# EAGLE board Mk4 Final Panel 8up 2x4 (EAGLE 9.0.1), part 23 of 23 (continued)
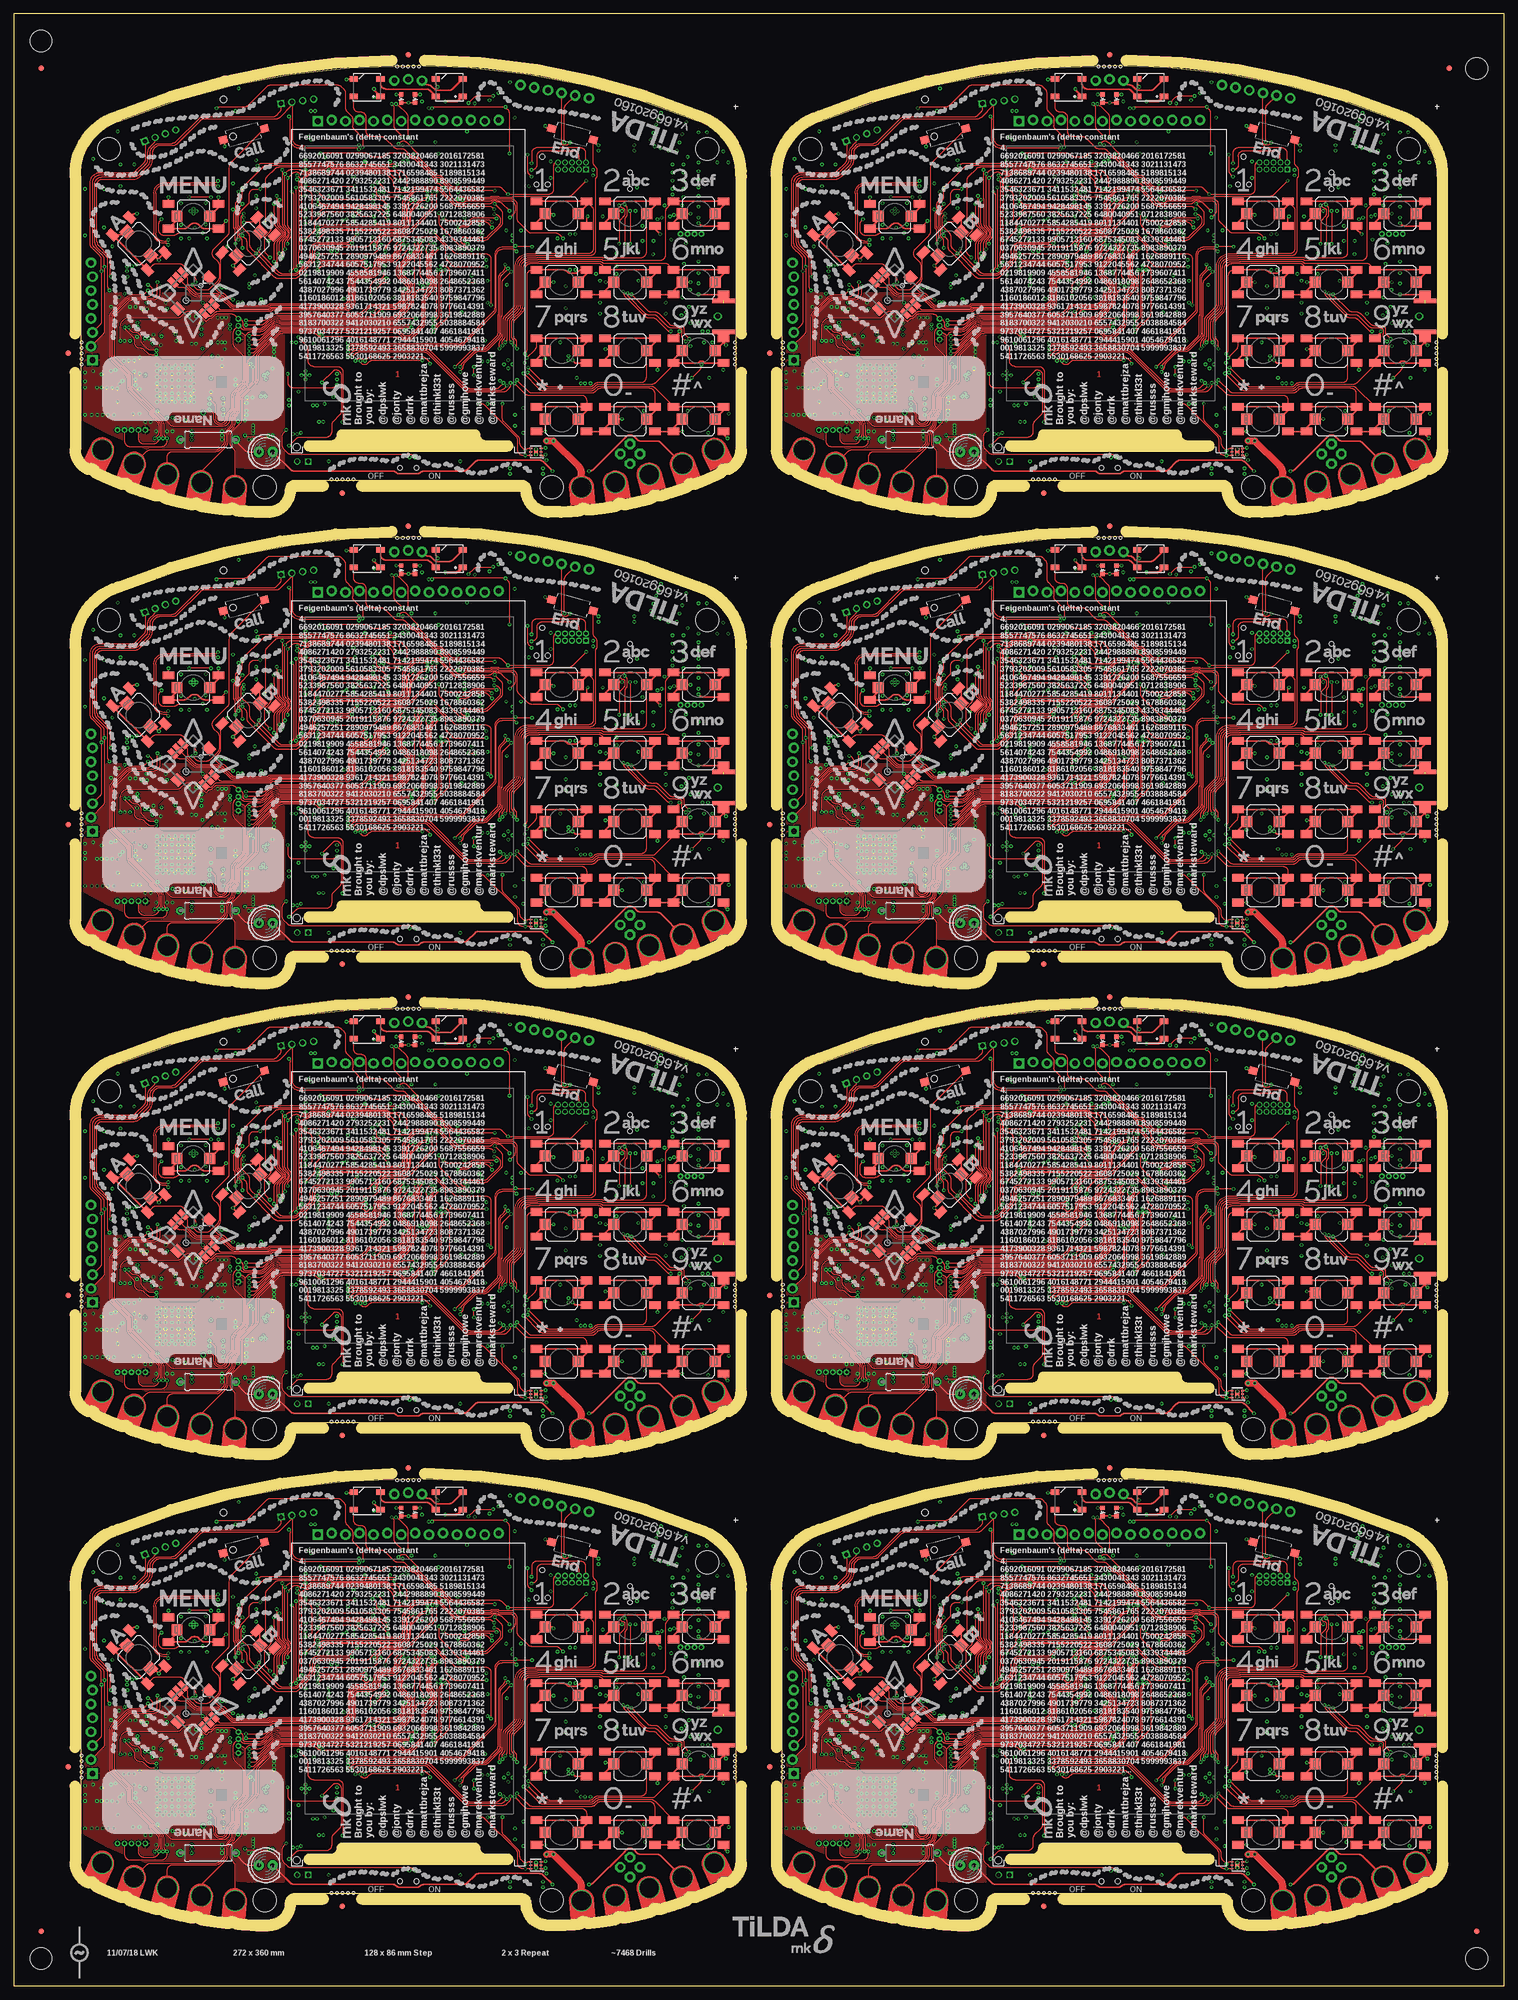
[diagram p0: board, top side]
## Tracks (layer width: path | path; a pad name or v marks a point on that pad's centre or on a via) (continued)
  Bottom 0.4: C734.1 C733.1 | C733.1 33.77,302.4 v34.25,302.4 | C733.1 33.73,301.4 v34.25,301.4 | C732.1 24.96,299.17 arc-45 25.25,298.46 25.25,297.86 arc45 25.54,297.16 25.65,297.05 | 24.7,299.95 24.7,300.07 | C732.1 24.7,300.07 | 24.7,300.07 v24.7,300.75 | v23.95,300.75 23.95,300.59 arc45 24.24,299.88 C732.1
  pour 3V3@2 (no thermals): 25,301.5 25,300.5 24.75,300.25 23.75,300.25 23.5,300.5 23.5,302.5 25,304 30.5,304 31.5,303 34.25,303 34.75,302.5 34.75,301.5 34.25,301 31,301 30,302 25.5,302
VDD_PA7  (via drill 0.3)
  Bottom 0.25: IC137.42 158.25,298 arc-45 158.54,298.71 159.16,299.32 arc45 159.45,300.03 159.45,301.24 arc-45 159.6,301.6 159.88,301.88 C842.1 | IC137.33 153.65,297.05
  Bottom 0.4: C842.1 C841.1 | C841.1 161.78,302.4 v162.25,302.4 | C841.1 161.72,301.4 v162.25,301.4 | C840.1 152.96,299.17 arc-45 153.25,298.46 153.25,297.86 arc45 153.54,297.16 153.65,297.05 | 152.7,299.95 152.7,300.07 | C840.1 152.7,300.07 | 152.7,300.07 v152.7,300.75 | v151.95,300.75 151.95,300.59 arc45 152.24,299.88 C840.1
  pour 3V3@2 (no thermals): 153,301.5 153,300.5 152.75,300.25 151.75,300.25 151.5,300.5 151.5,302.5 153,304 158.5,304 159.5,303 162.25,303 162.75,302.5 162.75,301.5 162.25,301 159,301 158,302 153.5,302
VDD_PLL
  Bottom 0.25: IC15.24 C94.1
VDD_PLL1
  Bottom 0.25: IC29.24 C202.1
VDD_PLL2
  Bottom 0.25: IC47.24 C310.1
VDD_PLL3
  Bottom 0.25: IC65.24 C418.1
VDD_PLL4
  Bottom 0.25: IC83.24 C526.1
VDD_PLL5
  Bottom 0.25: IC101.24 C634.1
VDD_PLL6
  Bottom 0.25: IC119.24 C742.1
VDD_PLL7
  Bottom 0.25: IC137.24 C850.1
VDD_RAM
  Bottom 0.2: IC15.49 35.34,38.25 arc-45 36.04,37.96 C95.1
VDD_RAM1
  Bottom 0.2: IC29.49 163.34,38.25 arc-45 164.04,37.96 C203.1
VDD_RAM2
  Bottom 0.2: IC47.49 35.34,124.25 arc-45 36.04,123.96 C311.1
VDD_RAM3
  Bottom 0.2: IC65.49 163.34,124.25 arc-45 164.04,123.96 C419.1
VDD_RAM4
  Bottom 0.2: IC83.49 35.34,210.25 arc-45 36.04,209.96 C527.1
VDD_RAM5
  Bottom 0.2: IC101.49 163.34,210.25 arc-45 164.04,209.96 C635.1
VDD_RAM6
  Bottom 0.2: IC119.49 35.34,296.25 arc-45 36.04,295.96 C743.1
VDD_RAM7
  Bottom 0.2: IC137.49 163.34,296.25 arc-45 164.04,295.96 C851.1
VDDC
  Bottom 0.2: 78.8,64 IC1.115 80.6,64 | 74.6,71.8 IC1.87 74.6,73.6
  Bottom 0.25: 78.8,64 77.6,64 arc-90 74.6,67 74.6,71.8 | 74.6,73.6 74.6,73.65 C8.2 | 80.6,64 81.62,64 C6.2 C7.2
VDDC1
  Bottom 0.2: 206.8,64 IC20.115 208.6,64 | 202.6,71.8 IC20.87 202.6,73.6
  Bottom 0.25: 206.8,64 205.6,64 arc-90 202.6,67 202.6,71.8 | 202.6,73.6 202.6,73.65 C118.2 | 208.6,64 209.62,64 C116.2 C117.2
VDDC2
  Bottom 0.2: 78.8,150 IC38.115 80.6,150 | 74.6,157.8 IC38.87 74.6,159.6
  Bottom 0.25: 78.8,150 77.6,150 arc-90 74.6,153 74.6,157.8 | 74.6,159.6 74.6,159.65 C226.2 | 80.6,150 81.62,150 C224.2 C225.2
VDDC3
  Bottom 0.2: 206.8,150 IC56.115 208.6,150 | 202.6,157.8 IC56.87 202.6,159.6
  Bottom 0.25: 206.8,150 205.6,150 arc-90 202.6,153 202.6,157.8 | 202.6,159.6 202.6,159.65 C334.2 | 208.6,150 209.62,150 C332.2 C333.2
VDDC4
  Bottom 0.2: 78.8,236 IC74.115 80.6,236 | 74.6,243.8 IC74.87 74.6,245.6
  Bottom 0.25: 78.8,236 77.6,236 arc-90 74.6,239 74.6,243.8 | 74.6,245.6 74.6,245.65 C442.2 | 80.6,236 81.62,236 C440.2 C441.2
VDDC5
  Bottom 0.2: 206.8,236 IC92.115 208.6,236 | 202.6,243.8 IC92.87 202.6,245.6
  Bottom 0.25: 206.8,236 205.6,236 arc-90 202.6,239 202.6,243.8 | 202.6,245.6 202.6,245.65 C550.2 | 208.6,236 209.62,236 C548.2 C549.2
VDDC6
  Bottom 0.2: 78.8,322 IC110.115 80.6,322 | 74.6,329.8 IC110.87 74.6,331.6
  Bottom 0.25: 78.8,322 77.6,322 arc-90 74.6,325 74.6,329.8 | 74.6,331.6 74.6,331.65 C658.2 | 80.6,322 81.62,322 C656.2 C657.2
VDDC7
  Bottom 0.2: 206.8,322 IC128.115 208.6,322 | 202.6,329.8 IC128.87 202.6,331.6
  Bottom 0.25: 206.8,322 205.6,322 arc-90 202.6,325 202.6,329.8 | 202.6,331.6 202.6,331.65 C766.2 | 208.6,322 209.62,322 C764.2 C765.2
WFIF_ANT_L
  Bottom 0.4: L6.2 C77.2 14.3,34.8 ANT1.1
WFIF_ANT_L1
  Bottom 0.4: L15.2 C178.2 142.3,34.8 ANT3.1
WFIF_ANT_L2
  Bottom 0.4: L24.2 C286.2 14.3,120.8 ANT5.1
WFIF_ANT_L3
  Bottom 0.4: L33.2 C394.2 142.3,120.8 ANT7.1
WFIF_ANT_L4
  Bottom 0.4: L42.2 C502.2 14.3,206.8 ANT9.1
WFIF_ANT_L5
  Bottom 0.4: L51.2 C610.2 142.3,206.8 ANT11.1
WFIF_ANT_L6
  Bottom 0.4: L60.2 C718.2 14.3,292.8 ANT13.1
WFIF_ANT_L7
  Bottom 0.4: L69.2 C826.2 142.3,292.8 ANT15.1
WIFI_ANT
  Bottom 0.35: FL1.OUT 22.45,37.75
  Bottom 0.4: L6.1 C76.2 18.09,35 arc45 18.79,35.29 19.44,35.94 arc45 19.5,36.09 arc-45 19.79,36.79 20.46,37.46 arc-45 21.16,37.75 22.45,37.75
WIFI_ANT1
  Bottom 0.35: FL2.OUT 150.45,37.75
  Bottom 0.4: L15.1 C177.2 146.09,35 arc45 146.79,35.29 147.44,35.94 arc45 147.5,36.09 arc-45 147.79,36.79 148.46,37.46 arc-45 149.16,37.75 150.45,37.75
WIFI_ANT2
  Bottom 0.35: FL3.OUT 22.45,123.75
  Bottom 0.4: L24.1 C285.2 18.09,121 arc45 18.79,121.29 19.44,121.94 arc45 19.5,122.09 arc-45 19.79,122.79 20.46,123.46 arc-45 21.16,123.75 22.45,123.75
WIFI_ANT3
  Bottom 0.35: FL4.OUT 150.45,123.75
  Bottom 0.4: L33.1 C393.2 146.09,121 arc45 146.79,121.29 147.44,121.94 arc45 147.5,122.09 arc-45 147.79,122.79 148.46,123.46 arc-45 149.16,123.75 150.45,123.75
WIFI_ANT4
  Bottom 0.35: FL5.OUT 22.45,209.75
  Bottom 0.4: L42.1 C501.2 18.09,207 arc45 18.79,207.29 19.44,207.94 arc45 19.5,208.09 arc-45 19.79,208.79 20.46,209.46 arc-45 21.16,209.75 22.45,209.75
WIFI_ANT5
  Bottom 0.35: FL6.OUT 150.45,209.75
  Bottom 0.4: L51.1 C609.2 146.09,207 arc45 146.79,207.29 147.44,207.94 arc45 147.5,208.09 arc-45 147.79,208.79 148.46,209.46 arc-45 149.16,209.75 150.45,209.75
WIFI_ANT6
  Bottom 0.35: FL7.OUT 22.45,295.75
  Bottom 0.4: L60.1 C717.2 18.09,293 arc45 18.79,293.29 19.44,293.94 arc45 19.5,294.09 arc-45 19.79,294.79 20.46,295.46 arc-45 21.16,295.75 22.45,295.75
WIFI_ANT7
  Bottom 0.35: FL8.OUT 150.45,295.75
  Bottom 0.4: L69.1 C825.2 146.09,293 arc45 146.79,293.29 147.44,293.94 arc45 147.5,294.09 arc-45 147.79,294.79 148.46,295.46 arc-45 149.16,295.75 150.45,295.75
WIFI_ANT_F
  Bottom 0.2: IC15.31 24.65,37.75
  Bottom 0.35: FL1.IN 23.52,37.75
  Bottom 0.4: 24.65,37.75 23.52,37.75
WIFI_ANT_F1
  Bottom 0.2: IC29.31 152.65,37.75
  Bottom 0.35: FL2.IN 151.53,37.75
  Bottom 0.4: 152.65,37.75 151.53,37.75
WIFI_ANT_F2
  Bottom 0.2: IC47.31 24.65,123.75
  Bottom 0.35: FL3.IN 23.52,123.75
  Bottom 0.4: 24.65,123.75 23.52,123.75
WIFI_ANT_F3
  Bottom 0.2: IC65.31 152.65,123.75
  Bottom 0.35: FL4.IN 151.53,123.75
  Bottom 0.4: 152.65,123.75 151.53,123.75
WIFI_ANT_F4
  Bottom 0.2: IC83.31 24.65,209.75
  Bottom 0.35: FL5.IN 23.52,209.75
  Bottom 0.4: 24.65,209.75 23.52,209.75
WIFI_ANT_F5
  Bottom 0.2: IC101.31 152.65,209.75
  Bottom 0.35: FL6.IN 151.53,209.75
  Bottom 0.4: 152.65,209.75 151.53,209.75
WIFI_ANT_F6
  Bottom 0.2: IC119.31 24.65,295.75
  Bottom 0.35: FL7.IN 23.52,295.75
  Bottom 0.4: 24.65,295.75 23.52,295.75
WIFI_ANT_F7
  Bottom 0.2: IC137.31 152.65,295.75
  Bottom 0.35: FL8.IN 151.53,295.75
  Bottom 0.4: 152.65,295.75 151.53,295.75
WS2812_OUT
  Top 0.3: LED2.2 80.14,88.29 arc-45 79.44,88 77.41,88 arc-45 76.71,88.29 76.29,88.71 arc45 75.59,89 arc-45 75.12,89.19 JP2.3
WS2812_OUT1
  Top 0.3: LED8.2 208.14,88.29 arc-45 207.44,88 205.41,88 arc-45 204.71,88.29 204.29,88.71 arc45 203.59,89 arc-45 203.12,89.19 JP11.3
WS2812_OUT2
  Top 0.3: LED14.2 80.14,174.29 arc-45 79.44,174 77.41,174 arc-45 76.71,174.29 76.29,174.71 arc45 75.59,175 arc-45 75.12,175.19 JP20.3
WS2812_OUT3
  Top 0.3: LED20.2 208.14,174.29 arc-45 207.44,174 205.41,174 arc-45 204.71,174.29 204.29,174.71 arc45 203.59,175 arc-45 203.12,175.19 JP29.3
WS2812_OUT4
  Top 0.3: LED26.2 80.14,260.29 arc-45 79.44,260 77.41,260 arc-45 76.71,260.29 76.29,260.71 arc45 75.59,261 arc-45 75.12,261.19 JP38.3
WS2812_OUT5
  Top 0.3: LED32.2 208.14,260.29 arc-45 207.44,260 205.41,260 arc-45 204.71,260.29 204.29,260.71 arc45 203.59,261 arc-45 203.12,261.19 JP47.3
WS2812_OUT6
  Top 0.3: LED38.2 80.14,346.29 arc-45 79.44,346 77.41,346 arc-45 76.71,346.29 76.29,346.71 arc45 75.59,347 arc-45 75.12,347.19 JP56.3
WS2812_OUT7
  Top 0.3: LED44.2 208.14,346.29 arc-45 207.44,346 205.41,346 arc-45 204.71,346.29 204.29,346.71 arc45 203.59,347 arc-45 203.12,347.19 JP65.3
WS28212_1
  Top 0.3: LED2.4 75.99,87.96 arc45 75.29,88.25 67.95,88.25 arc-90 66.95,89.25 LED1.2
WS28212_2
  Top 0.3: LED8.4 203.99,87.96 arc45 203.29,88.25 195.95,88.25 arc-90 194.95,89.25 LED7.2
WS28212_3
  Top 0.3: LED14.4 75.99,173.96 arc45 75.29,174.25 67.95,174.25 arc-90 66.95,175.25 LED13.2
WS28212_4
  Top 0.3: LED20.4 203.99,173.96 arc45 203.29,174.25 195.95,174.25 arc-90 194.95,175.25 LED19.2
WS28212_5
  Top 0.3: LED26.4 75.99,259.96 arc45 75.29,260.25 67.95,260.25 arc-90 66.95,261.25 LED25.2
WS28212_6
  Top 0.3: LED32.4 203.99,259.96 arc45 203.29,260.25 195.95,260.25 arc-90 194.95,261.25 LED31.2
WS28212_7
  Top 0.3: LED38.4 75.99,345.96 arc45 75.29,346.25 67.95,346.25 arc-90 66.95,347.25 LED37.2
WS28212_8
  Top 0.3: LED44.4 203.99,345.96 arc45 203.29,346.25 195.95,346.25 arc-90 194.95,347.25 LED43.2
XOSC0
  Bottom 0.15: IC1.66 66.2,74.7 C18.2 65.9,75.1 arc90 65.4,75.6 65.35,75.6 arc-90 64.85,76.1 X1.P$1
XOSC1
  Bottom 0.15: IC1.67 66.6,74.7 C19.2 66.9,75.1 arc-90 67.4,75.6 67.45,75.6 arc90 67.95,76.1 X1.P$2
XOSC2
  Bottom 0.15: IC20.66 194.2,74.7 C128.2 193.9,75.1 arc90 193.4,75.6 193.35,75.6 arc-90 192.85,76.1 X5.P$1
XOSC3
  Bottom 0.15: IC20.67 194.6,74.7 C129.2 194.9,75.1 arc-90 195.4,75.6 195.45,75.6 arc90 195.95,76.1 X5.P$2
XOSC4
  Bottom 0.15: IC38.66 66.2,160.7 C236.2 65.9,161.1 arc90 65.4,161.6 65.35,161.6 arc-90 64.85,162.1 X9.P$1
XOSC5
  Bottom 0.15: IC38.67 66.6,160.7 C237.2 66.9,161.1 arc-90 67.4,161.6 67.45,161.6 arc90 67.95,162.1 X9.P$2
XOSC6
  Bottom 0.15: IC56.66 194.2,160.7 C344.2 193.9,161.1 arc90 193.4,161.6 193.35,161.6 arc-90 192.85,162.1 X13.P$1
XOSC7
  Bottom 0.15: IC56.67 194.6,160.7 C345.2 194.9,161.1 arc-90 195.4,161.6 195.45,161.6 arc90 195.95,162.1 X13.P$2
XOSC8
  Bottom 0.15: IC74.66 66.2,246.7 C452.2 65.9,247.1 arc90 65.4,247.6 65.35,247.6 arc-90 64.85,248.1 X17.P$1
XOSC9
  Bottom 0.15: IC74.67 66.6,246.7 C453.2 66.9,247.1 arc-90 67.4,247.6 67.45,247.6 arc90 67.95,248.1 X17.P$2
XOSC10
  Bottom 0.15: IC92.66 194.2,246.7 C560.2 193.9,247.1 arc90 193.4,247.6 193.35,247.6 arc-90 192.85,248.1 X21.P$1
XOSC11
  Bottom 0.15: IC92.67 194.6,246.7 C561.2 194.9,247.1 arc-90 195.4,247.6 195.45,247.6 arc90 195.95,248.1 X21.P$2
XOSC12
  Bottom 0.15: IC110.66 66.2,332.7 C668.2 65.9,333.1 arc90 65.4,333.6 65.35,333.6 arc-90 64.85,334.1 X25.P$1
XOSC13
  Bottom 0.15: IC110.67 66.6,332.7 C669.2 66.9,333.1 arc-90 67.4,333.6 67.45,333.6 arc90 67.95,334.1 X25.P$2
XOSC14
  Bottom 0.15: IC128.66 194.2,332.7 C776.2 193.9,333.1 arc90 193.4,333.6 193.35,333.6 arc-90 192.85,334.1 X29.P$1
XOSC15
  Bottom 0.15: IC128.67 194.6,332.7 C777.2 194.9,333.1 arc-90 195.4,333.6 195.45,333.6 arc90 195.95,334.1 X29.P$2

## Text on the board
tPlace: Feigenbaum's (delta) constant | Feigenbaum's (delta) constant | 4. / 6692016091 0299067185 3203820466 2016172581 / 8557747576 8632745651 3430041343 3021131473 / 7138689744 0239480138 1716598485 5189815134 / 4086271420 2793252231 2442988890 8908599449 / 3546323671 3411532481 7142199474 5564436582 / 3793202009 5610583305 7545861765 2222070385 / 4106467494 9428498145 3391726200 5687556659 / 5233987560 3825637225 6480040951 0712838906 / 1184470277 5854285419 8011134401 7500242858 / 5382498335 7155220522 3608725029 1678860362 / 6745272133 9905713160 6875345083 4339344461 / 0370630945 2019115876 9724322735 8983890379 / 4946257251 2890979489 8676833461 1626889116 / 5631234744 6057517953 9122045562 4728070952 / 0219819909 4558581946 1368774456 1739607411 / 5614074243 7544354992 0486918098 2648652368 / 4387027996 4901739779 3425134723 8087371362 / 1160186012 8186102056 3818183540 9759847796 / 4173900328 9361714321 5987824078 9776614391 / 3957640377 6053711909 6932066998 3619842889 / 8183700322 9412030210 6557432955 5038884584 / 9737034727 5321219257 0695841407 4661841981 / 9610061296 4016148771 2944415901 4054679418 / 0019813325 3378592493 3658830704 5999993837 / 5411726563 5530168625 2903221... | 4. / 6692016091 0299067185 3203820466 2016172581 / 8557747576 8632745651 3430041343 3021131473 / 7138689744 0239480138 1716598485 5189815134 / 4086271420 2793252231 2442988890 8908599449 / 3546323671 3411532481 7142199474 5564436582 / 3793202009 5610583305 7545861765 2222070385 / 4106467494 9428498145 3391726200 5687556659 / 5233987560 3825637225 6480040951 0712838906 / 1184470277 5854285419 8011134401 7500242858 / 5382498335 7155220522 3608725029 1678860362 / 6745272133 9905713160 6875345083 4339344461 / 0370630945 2019115876 9724322735 8983890379 / 4946257251 2890979489 8676833461 1626889116 / 5631234744 6057517953 9122045562 4728070952 / 0219819909 4558581946 1368774456 1739607411 / 5614074243 7544354992 0486918098 2648652368 / 4387027996 4901739779 3425134723 8087371362 / 1160186012 8186102056 3818183540 9759847796 / 4173900328 9361714321 5987824078 9776614391 / 3957640377 6053711909 6932066998 3619842889 / 8183700322 9412030210 6557432955 5038884584 / 9737034727 5321219257 0695841407 4661841981 / 9610061296 4016148771 2944415901 4054679418 / 0019813325 3378592493 3658830704 5999993837 / 5411726563 5530168625 2903221... | OFF | ON | OFF | ON | Feigenbaum's (delta) constant | Feigenbaum's (delta) constant | 4. / 6692016091 0299067185 3203820466 2016172581 / 8557747576 8632745651 3430041343 3021131473 / 7138689744 0239480138 1716598485 5189815134 / 4086271420 2793252231 2442988890 8908599449 / 3546323671 3411532481 7142199474 5564436582 / 3793202009 5610583305 7545861765 2222070385 / 4106467494 9428498145 3391726200 5687556659 / 5233987560 3825637225 6480040951 0712838906 / 1184470277 5854285419 8011134401 7500242858 / 5382498335 7155220522 3608725029 1678860362 / 6745272133 9905713160 6875345083 4339344461 / 0370630945 2019115876 9724322735 8983890379 / 4946257251 2890979489 8676833461 1626889116 / 5631234744 6057517953 9122045562 4728070952 / 0219819909 4558581946 1368774456 1739607411 / 5614074243 7544354992 0486918098 2648652368 / 4387027996 4901739779 3425134723 8087371362 / 1160186012 8186102056 3818183540 9759847796 / 4173900328 9361714321 5987824078 9776614391 / 3957640377 6053711909 6932066998 3619842889 / 8183700322 9412030210 6557432955 5038884584 / 9737034727 5321219257 0695841407 4661841981 / 9610061296 4016148771 2944415901 4054679418 / 0019813325 3378592493 3658830704 5999993837 / 5411726563 5530168625 2903221... | 4. / 6692016091 0299067185 3203820466 2016172581 / 8557747576 8632745651 3430041343 3021131473 / 7138689744 0239480138 1716598485 5189815134 / 4086271420 2793252231 2442988890 8908599449 / 3546323671 3411532481 7142199474 5564436582 / 3793202009 5610583305 7545861765 2222070385 / 4106467494 9428498145 3391726200 5687556659 / 5233987560 3825637225 6480040951 0712838906 / 1184470277 5854285419 8011134401 7500242858 / 5382498335 7155220522 3608725029 1678860362 / 6745272133 9905713160 6875345083 4339344461 / 0370630945 2019115876 9724322735 8983890379 / 4946257251 2890979489 8676833461 1626889116 / 5631234744 6057517953 9122045562 4728070952 / 0219819909 4558581946 1368774456 1739607411 / 5614074243 7544354992 0486918098 2648652368 / 4387027996 4901739779 3425134723 8087371362 / 1160186012 8186102056 3818183540 9759847796 / 4173900328 9361714321 5987824078 9776614391 / 3957640377 6053711909 6932066998 3619842889 / 8183700322 9412030210 6557432955 5038884584 / 9737034727 5321219257 0695841407 4661841981 / 9610061296 4016148771 2944415901 4054679418 / 0019813325 3378592493 3658830704 5999993837 / 5411726563 5530168625 2903221... | OFF | ON | OFF | ON | Feigenbaum's (delta) constant | Feigenbaum's (delta) constant | 4. / 6692016091 0299067185 3203820466 2016172581 / 8557747576 8632745651 3430041343 3021131473 / 7138689744 0239480138 1716598485 5189815134 / 4086271420 2793252231 2442988890 8908599449 / 3546323671 3411532481 7142199474 5564436582 / 3793202009 5610583305 7545861765 2222070385 / 4106467494 9428498145 3391726200 5687556659 / 5233987560 3825637225 6480040951 0712838906 / 1184470277 5854285419 8011134401 7500242858 / 5382498335 7155220522 3608725029 1678860362 / 6745272133 9905713160 6875345083 4339344461 / 0370630945 2019115876 9724322735 8983890379 / 4946257251 2890979489 8676833461 1626889116 / 5631234744 6057517953 9122045562 4728070952 / 0219819909 4558581946 1368774456 1739607411 / 5614074243 7544354992 0486918098 2648652368 / 4387027996 4901739779 3425134723 8087371362 / 1160186012 8186102056 3818183540 9759847796 / 4173900328 9361714321 5987824078 9776614391 / 3957640377 6053711909 6932066998 3619842889 / 8183700322 9412030210 6557432955 5038884584 / 9737034727 5321219257 0695841407 4661841981 / 9610061296 4016148771 2944415901 4054679418 / 0019813325 3378592493 3658830704 5999993837 / 5411726563 5530168625 2903221... | 4. / 6692016091 0299067185 3203820466 2016172581 / 8557747576 8632745651 3430041343 3021131473 / 7138689744 0239480138 1716598485 5189815134 / 4086271420 2793252231 2442988890 8908599449 / 3546323671 3411532481 7142199474 5564436582 / 3793202009 5610583305 7545861765 2222070385 / 4106467494 9428498145 3391726200 5687556659 / 5233987560 3825637225 6480040951 0712838906 / 1184470277 5854285419 8011134401 7500242858 / 5382498335 7155220522 3608725029 1678860362 / 6745272133 9905713160 6875345083 4339344461 / 0370630945 2019115876 9724322735 8983890379 / 4946257251 2890979489 8676833461 1626889116 / 5631234744 6057517953 9122045562 4728070952 / 0219819909 4558581946 1368774456 1739607411 / 5614074243 7544354992 0486918098 2648652368 / 4387027996 4901739779 3425134723 8087371362 / 1160186012 8186102056 3818183540 9759847796 / 4173900328 9361714321 5987824078 9776614391 / 3957640377 6053711909 6932066998 3619842889 / 8183700322 9412030210 6557432955 5038884584 / 9737034727 5321219257 0695841407 4661841981 / 9610061296 4016148771 2944415901 4054679418 / 0019813325 3378592493 3658830704 5999993837 / 5411726563 5530168625 2903221... | OFF | ON | OFF | ON | Feigenbaum's (delta) constant | Feigenbaum's (delta) constant | 4. / 6692016091 0299067185 3203820466 2016172581 / 8557747576 8632745651 3430041343 3021131473 / 7138689744 0239480138 1716598485 5189815134 / 4086271420 2793252231 2442988890 8908599449 / 3546323671 3411532481 7142199474 5564436582 / 3793202009 5610583305 7545861765 2222070385 / 4106467494 9428498145 3391726200 5687556659 / 5233987560 3825637225 6480040951 0712838906 / 1184470277 5854285419 8011134401 7500242858 / 5382498335 7155220522 3608725029 1678860362 / 6745272133 9905713160 6875345083 4339344461 / 0370630945 2019115876 9724322735 8983890379 / 4946257251 2890979489 8676833461 1626889116 / 5631234744 6057517953 9122045562 4728070952 / 0219819909 4558581946 1368774456 1739607411 / 5614074243 7544354992 0486918098 2648652368 / 4387027996 4901739779 3425134723 8087371362 / 1160186012 8186102056 3818183540 9759847796 / 4173900328 9361714321 5987824078 9776614391 / 3957640377 6053711909 6932066998 3619842889 / 8183700322 9412030210 6557432955 5038884584 / 9737034727 5321219257 0695841407 4661841981 / 9610061296 4016148771 2944415901 4054679418 / 0019813325 3378592493 3658830704 5999993837 / 5411726563 5530168625 2903221... | 4. / 6692016091 0299067185 3203820466 2016172581 / 8557747576 8632745651 3430041343 3021131473 / 7138689744 0239480138 1716598485 5189815134 / 4086271420 2793252231 2442988890 8908599449 / 3546323671 3411532481 7142199474 5564436582 / 3793202009 5610583305 7545861765 2222070385 / 4106467494 9428498145 3391726200 5687556659 / 5233987560 3825637225 6480040951 0712838906 / 1184470277 5854285419 8011134401 7500242858 / 5382498335 7155220522 3608725029 1678860362 / 6745272133 9905713160 6875345083 4339344461 / 0370630945 2019115876 9724322735 8983890379 / 4946257251 2890979489 8676833461 1626889116 / 5631234744 6057517953 9122045562 4728070952 / 0219819909 4558581946 1368774456 1739607411 / 5614074243 7544354992 0486918098 2648652368 / 4387027996 4901739779 3425134723 8087371362 / 1160186012 8186102056 3818183540 9759847796 / 4173900328 9361714321 5987824078 9776614391 / 3957640377 6053711909 6932066998 3619842889 / 8183700322 9412030210 6557432955 5038884584 / 9737034727 5321219257 0695841407 4661841981 / 9610061296 4016148771 2944415901 4054679418 / 0019813325 3378592493 3658830704 5999993837 / 5411726563 5530168625 2903221... | OFF | ON | OFF | ON | 11/07/18 LWK | 272 x 360 mm | 128 x 86 mm Step | 2 x 3 Repeat | ~7468 Drills
bPlace: GND | VBAT | WS | GND | GND | VBAT | WS | GND | RX | TX | RX | TX | V | UART0 / Console | HELP? | V | UART0 / Console | HELP? | SCL | SDA | SCL | SDA | I2C5 | I2C5 | GND | L2 | L1 | RX- | RX+ | TX- | TX+ | 3V3 | GND | L2 | L1 | RX- | RX+ | TX- | TX+ | 3V3 | V | G | V | G | TX | TX | RX | UART4 | RX | UART4 | !HIB | ON | !HIB | ON | MIC | MIC | OFF | OFF | SIM USB | SIM USB | 3V3 | 3V3 | RI | RI | SDA | DTR | SDA | DTR | I2C5 | I2C5 | SCL | DCD | SCL | DCD | CTS | CTS | CCP1 | RTS | CCP1 | RTS | TIM4 | TX | TIM4 | TX | CCP0 | RX | CCP0 | RX | RX | CC UART | STATUS | RX | CC UART | STATUS | NETLIGHT | NETLIGHT | UART4 | UART4 | TX | PWR_KEY | TX | PWR_KEY | GND | GND | GND | 3V3 | GND | 3V3 | badge.emfcamp.org/2018 | badge.emfcamp.org/2018 | VBAT | designed and assembled in the UK | VBAT | designed and assembled in the UK | T62 | V_UNREG | T62 | V_UNREG | CC FLASH | CC FLASH | VBATT | VBATT | 0V | 0V | I2C5 | 3.3V | I2C5 | 3.3V | UART4 | UART4 | TX | FET | TX | FET | RX | TIM4 | SDA | RX | TIM4 | SDA | CCP0 | Hall | SCL | CCP0 | Hall | SCL | CCP1 | Wake | OFF | ON | Reset | VBATT | CCP1 | Wake | OFF | ON | Reset | VBATT | GND | VBAT | WS | GND | GND | VBAT | WS | GND | RX | TX | RX | TX | V | UART0 / Console | HELP? | V | UART0 / Console | HELP? | SCL | SDA | SCL | SDA | I2C5 | I2C5 | GND | L2 | L1 | RX- | RX+ | TX- | TX+ | 3V3 | GND | L2 | L1 | RX- | RX+ | TX- | TX+ | 3V3 | V | G | V | G | TX | TX | RX | UART4 | RX | UART4 | !HIB | ON | !HIB | ON | MIC | MIC | OFF | OFF | SIM USB | SIM USB | 3V3 | 3V3 | RI | RI | SDA | DTR | SDA | DTR | I2C5 | I2C5 | SCL | DCD | SCL | DCD | CTS | CTS | CCP1 | RTS | CCP1 | RTS | TIM4 | TX | TIM4 | TX | CCP0 | RX | CCP0 | RX | RX | CC UART | STATUS | RX | CC UART | STATUS | NETLIGHT | NETLIGHT | UART4 | UART4 | TX | PWR_KEY | TX | PWR_KEY | GND | GND | GND | 3V3 | GND | 3V3 | badge.emfcamp.org/2018 | badge.emfcamp.org/2018 | VBAT | designed and assembled in the UK | VBAT | designed and assembled in the UK | T62 | V_UNREG | T62 | V_UNREG | CC FLASH | CC FLASH | VBATT | VBATT | 0V | 0V | I2C5 | 3.3V | I2C5 | 3.3V | UART4 | UART4 | TX | FET | TX | FET | RX | TIM4 | SDA | RX | TIM4 | SDA | CCP0 | Hall | SCL | CCP0 | Hall | SCL | CCP1 | Wake | OFF | ON | Reset | VBATT | CCP1 | Wake | OFF | ON | Reset | VBATT | GND | VBAT | WS | GND | GND | VBAT | WS | GND | RX | TX | RX | TX | V | UART0 / Console | HELP? | V | UART0 / Console | HELP? | SCL | SDA | SCL | SDA | I2C5 | I2C5 | GND | L2 | L1 | RX- | RX+ | TX- | TX+ | 3V3 | GND | L2 | L1 | RX- | RX+ | TX- | TX+ | 3V3 | V | G | V | G | TX | TX | RX | UART4 | RX | UART4 | !HIB | ON | !HIB | ON | MIC | MIC | OFF | OFF | SIM USB | SIM USB | 3V3 | 3V3 | RI | RI | SDA | DTR | SDA | DTR | I2C5 | I2C5 | SCL | DCD | SCL | DCD | CTS | CTS | CCP1 | RTS | CCP1 | RTS | TIM4 | TX | TIM4 | TX | CCP0 | RX | CCP0 | RX | RX | CC UART | STATUS | RX | CC UART | STATUS | NETLIGHT | NETLIGHT | UART4 | UART4 | TX | PWR_KEY | TX | PWR_KEY | GND | GND | GND | 3V3 | GND | 3V3 | badge.emfcamp.org/2018 | badge.emfcamp.org/2018 | VBAT | designed and assembled in the UK | VBAT | designed and assembled in the UK | T62 | V_UNREG | T62 | V_UNREG | CC FLASH | CC FLASH | VBATT | VBATT | 0V | 0V | I2C5 | 3.3V | I2C5 | 3.3V | UART4 | UART4 | TX | FET | TX | FET | RX | TIM4 | SDA | RX | TIM4 | SDA | CCP0 | Hall | SCL | CCP0 | Hall | SCL | CCP1 | Wake | OFF | ON | Reset | VBATT | CCP1 | Wake | OFF | ON | Reset | VBATT | GND | VBAT | WS | GND | GND | VBAT | WS | GND | RX | TX | RX | TX | V | UART0 / Console | HELP? | V | UART0 / Console | HELP? | SCL | SDA | SCL | SDA | I2C5 | I2C5 | GND | L2 | L1 | RX- | RX+ | TX- | TX+ | 3V3 | GND | L2 | L1 | RX- | RX+ | TX- | TX+ | 3V3 | V | G | V | G | TX | TX | RX | UART4 | RX | UART4 | !HIB | ON | !HIB | ON | MIC | MIC | OFF | OFF | SIM USB | SIM USB | 3V3 | 3V3 | RI | RI | SDA | DTR | SDA | DTR | I2C5 | I2C5 | SCL | DCD | SCL | DCD | CTS | CTS | CCP1 | RTS | CCP1 | RTS | TIM4 | TX | TIM4 | TX | CCP0 | RX | CCP0 | RX | RX | CC UART | STATUS | RX | CC UART | STATUS | NETLIGHT | NETLIGHT | UART4 | UART4 | TX | PWR_KEY | TX | PWR_KEY | GND | GND | GND | 3V3 | GND | 3V3 | badge.emfcamp.org/2018 | badge.emfcamp.org/2018 | VBAT | designed and assembled in the UK | VBAT | designed and assembled in the UK | T62 | V_UNREG | T62 | V_UNREG | CC FLASH | CC FLASH | VBATT | VBATT | 0V | 0V | I2C5 | 3.3V | I2C5 | 3.3V | UART4 | UART4 | TX | FET | TX | FET | RX | TIM4 | SDA | RX | TIM4 | SDA | CCP0 | Hall | SCL | CCP0 | Hall | SCL | CCP1 | Wake | OFF | ON | Reset | VBATT | CCP1 | Wake | OFF | ON | Reset | VBATT